# Altium PCB nRF52840-kit.PcbDoc (continued)
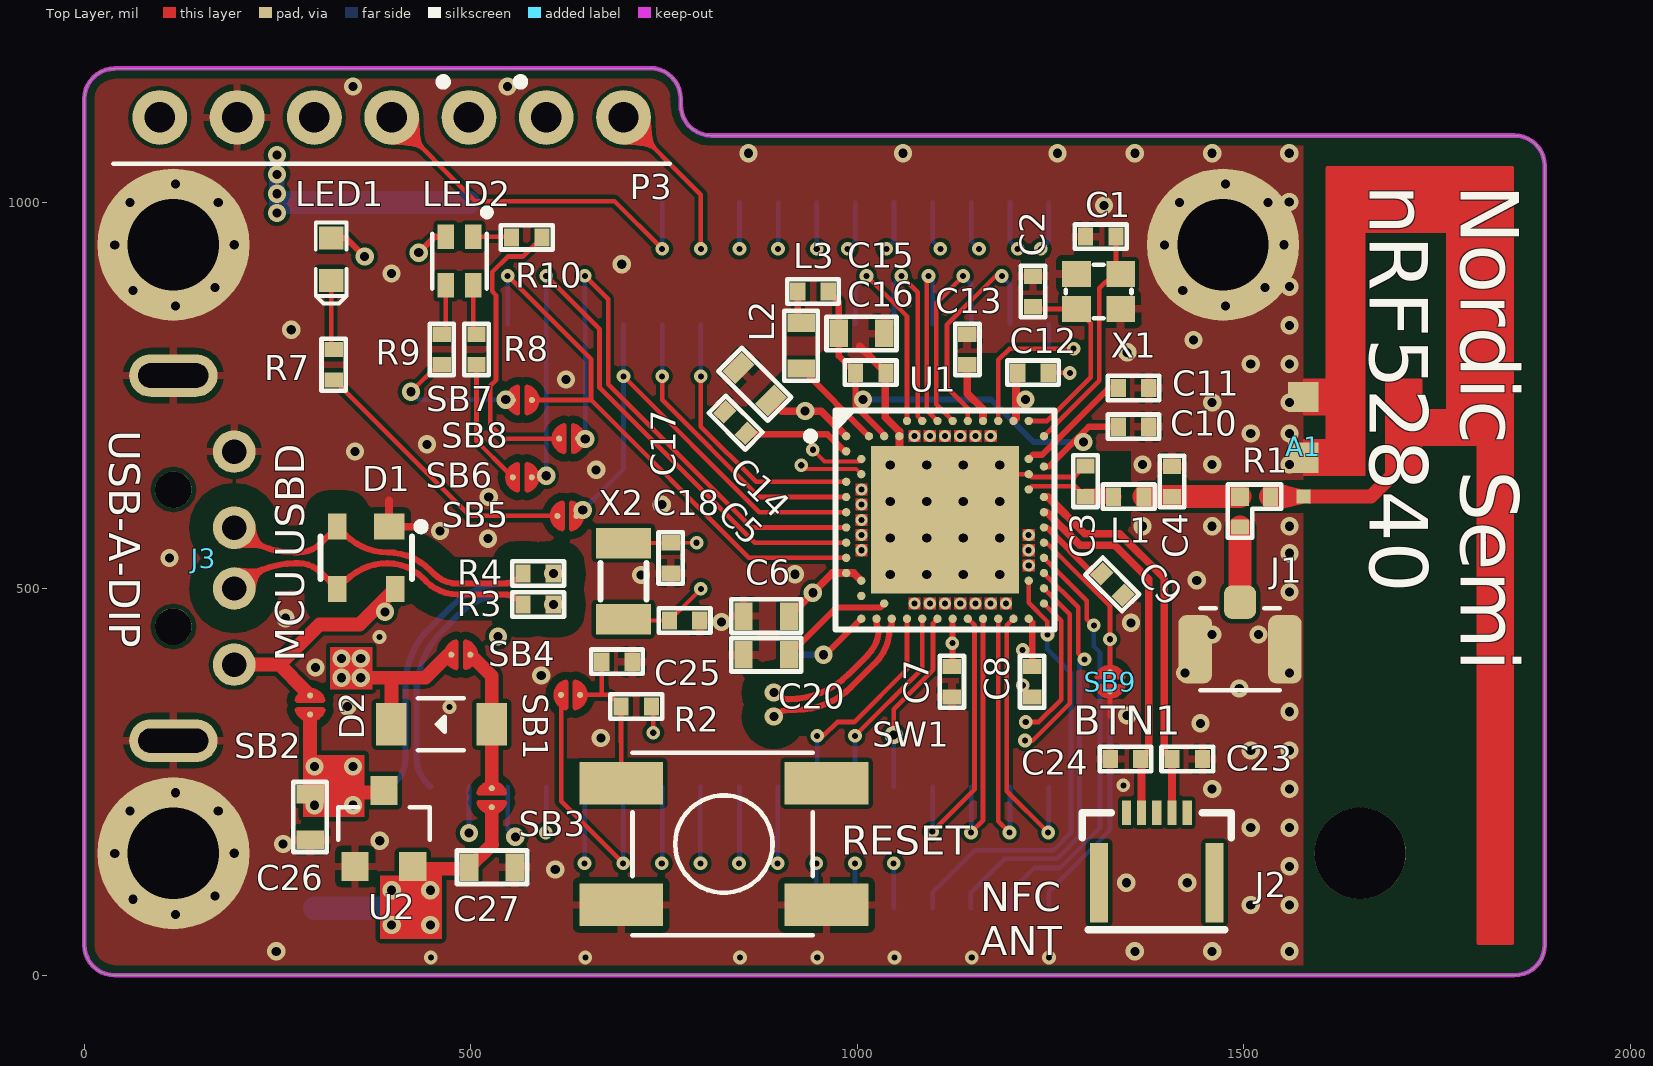
[diagram p0: Top Layer view]
## Footprints (in the part's own frame and the unit in brackets; to place one, negate y for a bottom-side part, rotate by r counter-clockwise, add the part's x,y. Pads: shape width x height; smd on the part's side, far side on the other; paste and mask are expansions set on the pad) (continued)
IFA_ANTENNA [mm]
  rect 0.46x0.46 smd paste-0.46: 1(0,0)
  rect 1x1 smd paste-1: 2(-3.275,0) 2(-1.285,0)
  Top Layer region: 14.67,6.91 -10.81,6.91 -10.829,6.906 -10.845,6.895 -10.856,6.879 -10.86,6.86 -10.86,6.86 -10.86,0.79 -10.856,0.771 -10.845,0.754 -10.829,0.744 -10.81,0.74 -10.81,0.74 -3.88,0.74 -3.88,0 -2.67,0 -2.67,0.74 -1.89,0.74 -1.89,0 -0.68,0 -0.68,1.98 -0.684,1.999 -0.695,2.016 -0.711,2.026 -0.73,2.03 -0.73,2.03 -8.68,2.03 -8.68,4.7 -2.88,4.7 -2.88,3.9 -3.83,3.9 -3.849,3.896 -3.866,3.886 -3.877,3.869 -3.88,3.85 -3.88,3.85 -3.88,2.74 -3.873,2.715 -3.855,2.697 -3.83,2.69 -3.83,2.69 -0.68,2.69 -0.68,3.85 -0.684,3.869 -0.695,3.886 -0.711,3.896 -0.73,3.9 -0.73,3.9 -1.68,3.9 -1.68,5.7 14.67,5.7 14.689,5.704 14.705,5.715 14.716,5.731 14.72,5.75 14.72,5.75 14.72,6.785 14.72,6.86 14.713,6.885 14.695,6.903 14.67,6.91
  Top Layer lines w0.46: 0,0.23 0,2.22 -1.07,3.29 -1.07,3.32
LED_0603 [mil]
  rect 30x32 smd: 1(0,0) 2(55,0)
  silkscreen extent -30,-20 75,20, body extent -4,-16 60,16, height 24
LED_0603_RGB [mm]
  rect 0.8x0.55 smd: 1(-0.8,0.45) 2(-0.8,-0.45) 3(0.8,-0.45) 4(0.8,0.45)
  silkscreen extent -1.7,-0.9 0.9,1, body extent -0.8,-0.75 0.8,0.75, height 0.34
RES_SELECTOR_0402 [mm] "R"
  rect 0.6x0.6 smd: 1(0,0)
  rect 0.5x0.6 smd: 2(1,0)
  rect 0.6x0.5 smd: 3(0,-1)
  silkscreen extent -0.4,-1.35 1.35,0.4, body extent -0.01,-0.25 1.01,0.25, height 1.01
SOD-123 [mm]
  rect 1x1.4 smd: 1(0,0) 2(3.3,0)
  silkscreen extent 0.87,-0.85 2.37,0.85, body extent -0.2,-0.8 3.5,0.8, height 1.27
Solderbridge#1 [mm]
  round 0.2 smd paste-10: 1(-0.312,0) 2(0.312,0)
  Top Layer region: 0.077,0.432 0.152,0.505 0.271,0.467 0.335,0.424 0.409,0.351 0.462,0.292 0.521,0.193 0.549,0.099 0.544,-0.122 0.518,-0.193 0.434,-0.33 0.351,-0.411 0.259,-0.469 0.157,-0.5 0.107,-0.483 0.077,-0.43
  Top Layer region: -0.077,-0.432 -0.152,-0.505 -0.271,-0.467 -0.335,-0.424 -0.409,-0.351 -0.462,-0.292 -0.521,-0.193 -0.549,-0.099 -0.544,0.122 -0.518,0.193 -0.434,0.33 -0.351,0.411 -0.259,0.469 -0.157,0.5 -0.107,0.483 -0.077,0.43
  Top Layer lines w0.152: -0.153,-0.431 cw(c-0.042,0) -0.312,-0.353 cw(c-0.042,0) -0.487,0 cw(c-0.042,0) -0.153,0.431 ; 0.153,-0.431 ccw(c0.042,0) 0.153,0.431
Solderbridge#2 [mm]
  round 0.2 smd paste-10: 1(-0.312,0) 2(0.312,0)
  Top Layer region: 0.077,0.432 0.152,0.505 0.271,0.467 0.335,0.424 0.409,0.351 0.462,0.292 0.521,0.193 0.549,0.099 0.544,-0.122 0.518,-0.193 0.434,-0.33 0.351,-0.411 0.259,-0.469 0.157,-0.5 0.107,-0.483 0.077,-0.43
  Top Layer region: -0.077,-0.432 -0.152,-0.505 -0.271,-0.467 -0.335,-0.424 -0.409,-0.351 -0.462,-0.292 -0.521,-0.193 -0.549,-0.099 -0.544,0.122 -0.518,0.193 -0.434,0.33 -0.351,0.411 -0.259,0.469 -0.157,0.5 -0.107,0.483 -0.077,0.43
  Top Layer lines w0.152: 0.153,-0.431 ccw(c0.042,0) 0.153,0.431 ; -0.153,-0.431 cw(c-0.042,0) -0.487,0 cw(c-0.042,0) -0.153,0.431
Solderbridge#3 [mm]
  round 0.2 smd paste-10: 1(-0.312,0) 2(0.312,0)
  Top Layer region: 0.077,0.432 0.152,0.505 0.271,0.467 0.335,0.424 0.409,0.351 0.462,0.292 0.521,0.193 0.549,0.099 0.544,-0.122 0.518,-0.193 0.434,-0.33 0.351,-0.411 0.259,-0.469 0.157,-0.5 0.107,-0.483 0.077,-0.43
  Top Layer region: -0.077,-0.432 -0.152,-0.505 -0.271,-0.467 -0.335,-0.424 -0.409,-0.351 -0.462,-0.292 -0.521,-0.193 -0.549,-0.099 -0.544,0.122 -0.518,0.193 -0.434,0.33 -0.351,0.411 -0.259,0.469 -0.157,0.5 -0.107,0.483 -0.077,0.43
  Top Layer lines w0.152: -0.153,-0.431 cw(c-0.042,0) -0.461,-0.149 cw(c-0.042,0) -0.481,-0.075 cw(c-0.042,0) -0.487,0 cw(c-0.042,0) -0.153,0.431 ; 0.153,-0.431 ccw(c0.042,0) 0.461,-0.149 ccw(c0.042,0) 0.153,0.431
SOT190P230X110-4L [mm]
  rect 0.85x1 smd: 1(-1.025,0.75)
  rect 0.85x0.6 smd: 2(-1.025,-0.95) 3(1.025,-0.95) 4(1.025,0.95)
  silkscreen extent -1.15,-1.5 0.7,1.93, body extent -1.21,-1.46 1.21,1.46, height 1
SOT-23 [mm] "1-G 2-S 3-D"
  rect 0.9x0.95 smd: 1(-0.95,-1.25) 2(0.95,-1.25) 3(0,1.25)
  silkscreen extent -1.51,-0.38 1.5,0.69, body extent -1.52,-1.23 1.48,1.27, height 1.06
Switch-PB-6.2x6.3mm-SMD [mm]
  rect 2.75x1.4 smd: 1(-3.375,2) 2(-3.375,-2) 3(3.375,2) 4(3.375,-2)
  silkscreen extent -2.93,-3 3,3, body extent -4,-3 4,3.3, height 3.1
USB-A-DIP [mm]
  round 1.4 hole 0.8: 1(3.5,0) 2(1,0) 3(-1,0) 4(-3.5,0)
  oval 1.4x2.9 hole 0.8 slot 2.3 at 90 deg: 5(-6,-2) 5(6,-2)
  round 1.2 hole 1.2: ""(-2.25,-2) ""(2.25,-2)
  body extent -6.3,-19.72 6.3,0.2, height 4.5
XTAL_2016 [mm]
  rect 0.95x0.85 smd: 1(-0.725,-0.575) 2(0.725,-0.575) 3(0.725,0.575) 4(-0.725,0.575)
  silkscreen extent -1.08,-0.88 1.08,0.88, body extent -1.05,-0.85 1.05,0.85, height 0.56
XTAL_3215 [mm]
  rect 1x1.8 smd: 1(-1.25,0) 2(1.25,0)
  silkscreen extent -0.6,-0.75 0.6,0.75, body extent -1.6,-0.75 1.6,0.75, height 0.81

## Part data
A1: "Texas Instrument"
C1 C2 C3 C4 C5 C6 C7 C8 C9 C10 C11 C12 C13 C14 C15 C16 C17 C18 C20 C21 C23 C24 C25 C26 C27: library part Capacitor, "common library", Tolerance=±5%
D1: "Ultra low capacitance double rail-to-rail ESD protection diode", 2nd source part number=152-4157, Manufacturer=NXP, Supplier part number=568-4140-1-ND, 2nd source Supplier=Farnell, Artikkelnr Noca=10069015, Artikkelnr Simpro=N.A., Datasheet=http://www.farnell.com/datasheets/109718.pdf, Footprint Doc=SOT-143B, LatestRevisionDate=2012-06-11, Manufacturer Part Number=PRTR5V0U2X, Part Number=PRTR5V0U2X, Published=2012-06-11, Publisher="Nordic Semiconductor", Supplier=Digi-Key
D2: library part "Diode Schottky", "common library"
J1: library part "IPEX connector", "Hirose", MF=Hirose, MP=U.FL-R-SMT_01_, Note=Ipex
J2: "0.5mm FPC, 5P,Right Angle SMT,Double Contact,H=1.2mm,White, Tin plated", 2nd source part number=WM9836CT-ND, Manufacturer=W-CON, Manufacturer Part Number=5141-05RZDNWR01, Part Number=FPC_05P-0.5mm-RA-SMD, Part number IPS=00000007792, 2nd source Supplier=Digi-Key, Artikkelnr Noca=55010020, Artikkelnr Simpro=N.A., Datasheet=\\hizz\pro\app9717\Datasheet\connectores\W-CON\5141-XXRZDNXX0X.pdf, Footprint Doc=FPC_05P-0.5mm-RA-SMD, LatestRevisionDate=2016-04-21, Pin Count=7, Published=2015-06-22, Publisher="Nordic Semiconductor", Supplier=Cabcon, Supplier part number=5141-05RZDNWR01
L1 L2 L3: library part Inductor, "common library"
LED1: library part LED, "common library", Color=Green
LED2: library part LED_RGB, Supplier=thegioiic, Type=RGB
P1 P2: library part "Header 20x2"
P3: library part "Header 7"
R1: library part Res_Selector, Name="Res Selector"
R2 R3 R4 R5 R6 R7 R8 R9 R10: library part Resistor, "common library", Tolerance=±5%
SW1 X1: "4-pin"
  SW1: Pin Count=4
U1: "Multi-protocol Bluetooth Low Energy, IEEE 802.15.4, ANT and 2.4GHz proprietary system-on-chip", Manufacturer="Nordic Semiconductor", Manufacturer Part Number=nRF52840-QIAAC0, Part number IPS=N.A., Artikkelnr Noca=N.A., Artikkelnr Simpro=N.A., ComponentLink1Description=Datasheet, ComponentLink2Description="Supplier link", Footprint Doc=AQFN-73, LatestRevisionDate=2017-12-06, Part Number=nRF52840-QIAAC0, Pin Count=73, Published=2017-08-21, Publisher="Nordic Semiconductor", Supplier="Nordic Semiconductor", Supplier part number=nRF52840-QIAAC0
U2: library part XC6206, "Low ESR Cap.Compatible Positive Voltage Regulators", Type=XC6206P332MR
X2: "2-pin"
J3: Supplier=https://banlinhkien.vn/goods-938-usb-a-duc-smd-usb-a-s01.html, Using reference=https://hshop.vn/products/mach-chuyen-usb-uart-cp2102
SB1 SB2 SB3 SB4 SB5 SB6 SB7 SB8 SB9: Artikkelnr Noca=N.A., Artikkelnr Simpro=N.A., Footprint Doc=Solderbridge, LatestRevisionDate=2009-12-14, Part Number=Solderbridge, Pin Count=2, Published=2009-12-14, Publisher="Nordic Semiconductor"

## Free pads (board coordinates)
  round 196.85 hole 118.11: 0(115.22,157.89) 0(115.22,945.3) 0(1473.49,945.3)
  round 118.11 hole 118.11: 0(1650.66,157.89)

## Via types
v1: diameter 23.62, hole 11.81, Top Layer to Bottom Layer, tented both sides, 138 vias
v2: diameter 17.72, hole 7.87, Top Layer to Bottom Layer, tented both sides, 64 vias
v3: diameter 15.75, hole 7.87, Top Layer to Bottom Layer, tented bottom, 21 vias
v4: diameter 24, hole 12, Top Layer to Bottom Layer, tented bottom, 16 vias

## Nets (pads, with @x,y where several pads share a name; then routed paths per layer and width w, separated by ;. In a path a pad name is that pad's centre, name@x,y a point inside that pad or via, vN(x,y) a via of type N, cw(c..) or ccw(c..) an arc to the next point about the centre after c; other vN are vias at no path point)
3V3: C27.2 P1.2 P1.4 P1.6 P1.8 SB3.2 U2.2 | length 313.7
  Top Layer w18: U2.2@425.11,137.87 496.07,137.87 C27.2 527.51,169.31 527.19,169.63 SB3.2
  Bottom Layer w30: P1.2 P1.4 P1.6 P1.8
  other v1: 397.71,65 447.71,65 397.71,110 447.71,110
ANT: A1.1 R1.2 | length 16.7
  Top Layer w30: R1.2 1551.51,619.31
D1_N: D1.3 J3.2 R3.1 | length 420.4
  Top Layer w8: J3.2 cw(c272.97,421.41) 272.97,533.14 277.19,533.14 cw(c277.19,492.48) 305.94,521.24 ; 305.95,521.23 D1.3 338.51,510.9 cw(c392.19,457.21) 392.19,533.14 cw(c392.19,468.81) 437.68,514.3 442.19,509.78 ccw(c483.24,550.83) 483.24,492.78 541.78,492.78 cw(c541.78,462.06) 563.51,483.78 R3.1
D1_P: D1.2 J3.3 R4.1 | length 420.2
  Top Layer w8: J3.3 ccw(c271.26,656.45) 271.26,547.14 277.19,547.14 ccw(c277.19,587.8) 305.95,559.05 D1.2 338.51,569.38 ccw(c392.19,623.06) 392.19,547.14 cw(c392.19,468.81) 447.58,524.2 452.09,519.68 ccw(c483.24,550.83) 483.24,506.78 541.78,506.78 ccw(c541.78,537.51) 563.51,515.78 R4.1
D2_N: P1.7 R5.1 | length 340.4
  Bottom Layer w8: P1.7 443.71,248.13 cw(c477.5,281.93) 429.71,281.93 429.71,364.78 cw(c543.71,364.78) 463.1,445.39 484.17,466.47 cw(c547.71,402.94) 547.71,492.78 cw(c547.71,476.36) 559.31,487.98 R5.1
D2_P: P1.5 R6.1 | length 363.8
  Bottom Layer w8: P1.5 401.71,248.13 ccw(c367.91,281.93) 415.71,281.93 415.71,376.38 cw(c515.71,376.38) 444.99,447.09 475.4,477.49 cw(c546.11,406.78) 546.11,506.78 547.71,506.78 ccw(c547.71,523.21) 559.31,511.59 R6.1
D_N: R4.2 R6.2 U1.AD4 | length 540.8
  Top Layer w8: v1(892.19,365.78) 893.27,364.71 ccw(c911.19,382.63) 911.19,357.28 ccw(c911.19,467.13) 988.87,389.46 1013.43,414.02 ccw(c978.35,449.1) 1027.96,449.1 cw(c1034.82,455.97) 1025.12,455.97 U1.AD4
  Mid-Layer 2 w8: v1(606.88,519.78) 611.17,515.49 ccw(c632.19,536.52) 632.19,506.78 cw(c632.19,439.19) 679.99,486.99 780.4,386.57 ccw(c851.11,457.28) 851.11,357.28 871.67,357.28 ccw(c871.67,386.31) v1(892.19,365.78)
D_P: R3.2 R5.2 U1.AD6 | length 563.9
  Top Layer w8: v1(892.19,334.78) 893.27,335.86 cw(c911.19,317.94) 911.19,343.28 921.07,343.28 ccw(c921.07,443.28) 991.78,372.57 1023.33,404.12 ccw(c978.35,449.1) 1041.96,449.1 ccw(c1035.1,455.97) 1044.8,455.97 U1.AD6
  Mid-Layer 2 w8: v1(606.88,479.78) 611.17,484.08 cw(c632.19,463.05) 632.19,492.78 cw(c632.19,439.19) 670.09,477.09 ; 670.09,477.09 770.5,376.67 ccw(c851.11,457.28) 851.11,343.28 871.67,343.28 cw(c871.67,314.26) v1(892.19,334.78)
DEC1: C5.2 U1.C1 | length 138.7
  Top Layer w8: C5.2 857.71,700 961.53,700 983.64,677.89 U1.C1
DEC2: C13.2 U1.A18 | length 81.3
  Top Layer w10: C13.2 1142.51,752.78 1162.91,732.38 U1.A18
DEC3: C11.1 U1.D23 | length 153.8
  Top Layer w8: U1.D23 1227.54,673.62 1239.5,673.62 1325.66,759.78 C11.1
DEC4_6: C10.1 C15.2 C16.2 L3.2 U1.B5 U1.E24 | length 642.5
  Top Layer w8: L3.2 976.17,871.12 C15.2 976.17,801.44 C16.2 997.82,736.83 1034.96,699.69 U1.B5 ; U1.E24 1247.9,658.21 1299.48,709.78 C10.1
  Bottom Layer w8: v1(1007.71,745) 1173.71,745 1228.71,690 v1(1292.71,690)
DEC5: C9.2 U1.N24 | length 109.4
  Top Layer w8: U1.N24 1245.34,579.47 C9.2@1305.1,519.7 ; C9.2@1305.1,519.7 1306.1,518.7 1314.27,518.7 1315.27,519.7 C9.2@1305.1,519.7
DECUSB: C20.2 U1.AC5 | length 150.4
  Top Layer w8: C20.2 973.02,475.77 1029.69,475.77 U1.AC5
GND: A1.2 C1.2 C2.2 C3.1 C4.1 C5.1 C6.1 C7.1 C8.1 C9.1 C10.2 C11.2 C12.1 C13.1 C14.1 C15.1 C16.1 C17.1 C18.1 C20.1 C21.1 C23.2 C24.1 C25.1 C26.1 C27.1 D1.1 J1.1 J1.2 J3.4 J3.5 P1.14 P1.16 P1.18 P1.20 P1.22 P1.24 P1.26 P2.2 P2.4 P2.6 P2.8 P2.10 P2.24 P2.26 P2.28 P3.2 pad.0@115.22,157.89 pad.0@115.22,945.3 pad.0@1473.49,945.3 SB9.2 SW1.1 SW1.3 U1.74 U1.B7 U1.F23 U2.1 X1.2 X1.4 | length 614.8
  Top Layer w6: U1.74 v4(1137.32,612.93) 1172.76,648.37 U1.F23 1225.55,644.78 1281.22,644.78 C3.1 ; C12.1 1274.74,779.78 v2(1275.22,779.3) ; 1327.19,335.26 1327.19,360.61 SB9.2
  Top Layer w10: 394.32,614.39 D1.1 430.42,580.49 ; 1003.22,813.75 C16.1 1036.51,779.1 1036.51,722.03 1054.65,703.9 U1.B7 1054.65,648.37 U1.74
  other v1: 248.33,31 1359.33,31 1459.33,31 1559.33,31 118.11,78.74 1509.33,91 1559.33,91 62.99,98.43 169.29,102.36 1348.34,119.78 1427.08,119.78 609.33,137 1559.33,141 39.37,157.48 193.99,157.89 257.33,170 382.33,174 1509.33,191 1559.33,191 59.05,212.6 173.23,212.6 118.11,236.22 1459.33,241 1559.33,241 1509.33,291 1559.33,291 668.33,307 1444.33,326 1349.33,336 1559.33,341 340.33,348 1494.33,371 591.33,388 1424.33,391 1559.33,391 299.21,398.25 1459.33,441 1519.33,441 1354.33,456 824.33,457 260.33,462 1559.33,496 1439.33,511 720.33,518 919.47,518.84 110.33,540 1559.33,546 522.33,565 460.33,575 1369.33,581 1459.33,581 1559.33,581 747.33,609 523.33,619 662.33,654 1369.33,661 1459.33,661 1559.33,661 350.39,677.77 443.33,687 1509.33,701 1559.33,701 1459.33,741 1559.33,741 623.33,771 1509.33,791 1559.33,791 1349.33,806 1435.33,822 267.72,835.25 1559.33,841 118.11,866.14 1476.38,866.14 62.99,885.83 1421.26,885.83 169.29,889.76 1527.56,889.76 1559.33,891 397.33,908 695.33,920 39.37,944.88 193.99,945.3 1397.64,944.88 1552.26,945.3 1319.33,996 59.05,1000 173.23,1000 1417.32,1000 1531.5,1000 1559.05,1000.61 118.11,1023.62 1476.38,1023.62 859.33,1063.6 1059.33,1063.6 1259.33,1063.6 1359.33,1063.6 1459.33,1063.6 1559.05,1063.6 347.71,1150 547.71,1150
  other v2: 448.33,23 648.33,23 848.33,23 948.33,23 1048.33,23 1148.33,23 1248.33,23 1344.4,245.77 472.44,347.06 1214.22,375.3 381.89,437.62
  other v4: 1042.84,518.45 1090.08,518.45 1137.32,518.45 1184.57,518.45 1042.84,565.69 1090.08,565.69 1137.32,565.69 1184.57,565.69 1042.84,612.93 1090.08,612.93 1184.57,612.93 1042.84,660.18 1090.08,660.18 1137.32,660.18 1184.57,660.18
NetC3_2: C3.2 L1.1 U1.H23 | length 117.1
  Top Layer w6: U1.H23 1226.07,632.78 1282.28,632.78 C3.2
  Top Layer w20: C3.2 1331.43,619.63 L1.1
NetC25_2: C25.2 R2.1 SB1.2 SW1.2 SW1.4 | length 239.3
  Top Layer w6: SB1.2 669.19,362.78 ; SW1.4@662.89,254.48 661.19,252.78 690.37,252.78 SW1.4 694.63,301.78 694.51,301.91 R2.1 679.51,362.78 669.19,362.78 ; C25.2 669.51,363.1 669.19,362.78
NetD2_2: D2.2 SB3.1 SB4.2 | length 180.5
  Top Layer w18: SB4.2 505.35,408.92 527.19,387.08 D2.2 527.19,248.95 SB3.1@527.19,245.76
NetL2_1: L2.1 U1.B3 | length 124.1
  Top Layer w8: L2.1 927.6,785.26 U1.B3
NetL2_2: L2.2 L3.1 | length 42.3
  Top Layer w8: L3.1 923.14,848.68 L2.2
NetLED1_1: LED1.1 R7.2 | length 90.8
  Top Layer w6: LED1.1 319.4,812.99 R7.2
NetLED2_1: LED2.1 R10.2 | length 50
  Top Layer w6: LED2.1 551.96,955.65 R10.2
NetLED2_3: LED2.3 R9.2 | length 65.4
  Top Layer w6: R9.2 467.73,834.69 LED2.3
NetLED2_4: LED2.4 R8.2 | length 65
  Top Layer w6: LED2.4 503.17,833.81 R8.2
NetR7_1: R7.1 SB5.1 | length 362.3
  Top Layer w6: R7.1 498.64,594.38 605.27,594.38 SB5.1
NetR8_1: R8.1 SB6.1 | length 165.2
  Top Layer w6: R8.1 507.51,691.32 548.58,650.24 SB6.1
NetR9_1: R9.1 SB7.1 | length 181.1
  Top Layer w6: v1(422.71,755) 457.8,790.1 R9.1
  Bottom Layer w6: v1(422.71,755) 432.87,744.83 v1(545.24,744.83)
NetR10_1: R10.1 SB8.1 | length 382.3
  Top Layer w6: R10.1 567.41,930 547.71,930 527.71,910 527.71,885 532.71,880 532.71,770 525.43,762.73 525.43,712.27 543.32,694.38 607.57,694.38 SB8.1
NFC1: C24.2 J2.2 U1.L24 | length 478.3
  Top Layer w10: U1.L24 1245.45,599.15 1288.3,556.31 1333.3,556.31 1377.19,512.41 1377.19,290.1 C24.2 1368.02,278.64 J2.2
NFC2: C23.1 J2.4 U1.J24 | length 506.7
  Top Layer w10: U1.J24 1246.98,618.84 1294.51,571.31 1339.51,571.31 1397.19,513.63 1397.19,290.1 C23.1 1407.51,210.45 J2.4
P0.02/AIN0: P2.34 U1.A12 | length 258.6
  Top Layer w6: v2(1092.19,904.78) 1090.19,902.78 1090.19,730.93 U1.A12
  Bottom Layer w6: v2(1092.19,904.78) 1097.71,899.27 P2.34
P0.03/AIN1: P2.33 U1.B13 | length 309
  Mid-Layer 1 w6: v2(1107.71,940) 1112.71,935 1112.71,698.58 v3(1113.7,697.58)
  Bottom Layer w6: P2.33 1097.71,950 v2(1107.71,940)
P0.04/AIN2: P2.20 U1.J1 | length 388.1
  Top Layer w6: v2(747.71,775) 747.71,744.44 873.31,618.84 U1.J1
  Bottom Layer w6: v2(747.71,775) P2.20
P0.05/AIN3: P2.25 U1.K2 | length 468.9
  Mid-Layer 1 w6: v2(897.71,940) 897.71,660 948.71,609 v3(1005.43,609)
  Bottom Layer w6: v2(897.71,940) P2.25
P0.06: P2.18 SB5.2 U1.L1 | length 623.3
  Top Layer w6: v2(697.71,775) 873.55,599.15 U1.L1
  Bottom Layer w6: v1(644.94,601.98) 697.71,654.75 v2(697.71,775) P2.18
P0.07: P2.23 U1.M2 | length 529.9
  Mid-Layer 1 w6: v2(847.71,940) 847.71,655 913.39,589.31 v3(1005.43,589.31)
  Bottom Layer w6: v2(847.71,940) P2.23
P0.08: P2.16 SB8.2 U1.N1 | length 748.6
  Top Layer w6: v2(647.71,905) 677.71,875 677.71,765 863.24,579.47 U1.N1
  Bottom Layer w6: v2(647.71,905) P2.16 648.24,841.98 v1(648.24,693.93)
P0.11: P2.19 P3.4 U1.T2 | length 1031.5
  Top Layer w6: P3.4 506.03,1001.67 686.03,1001.67 v2(747.71,940)
  Mid-Layer 1 w6: v2(747.71,940) 777.71,910 777.71,685 912.76,549.94 v3(1005.43,549.94)
  Bottom Layer w6: v2(747.71,940) P2.19
P0.12: P2.12 SB7.2 U1.U1 | length 759.2
  Top Layer w6: v2(547.71,905) 655.71,797 655.71,744.38 ; SB7.2 585.91,744.38 655.71,744.38 ; U1.U1 859.99,540.1 655.71,744.38
  Bottom Layer w6: P2.12 v2(547.71,905)
P0.13: P1.27 U1.AD8 | length 283.2
  Top Layer w6: v2(948.19,309.78) 956.22,309.78 974.12,327.68 996.09,327.68 1064.49,396.08 U1.AD8
  Bottom Layer w6: P1.27 948.19,244.62 v2(948.19,309.78)
P0.14: P1.13 U1.AC9 | length 773.7
  Mid-Layer 1 w6: v2(597.19,184.78) 671.64,184.78 716.64,229.78 1018.19,229.78 1074.33,285.92 v3(1074.33,481.04)
  Bottom Layer w6: v2(597.19,184.78) 597.71,185.3 P1.13
P0.15: P1.29 U1.AD10 | length 253.5
  Top Layer w6: v2(997.19,309.78) 1084.17,396.77 U1.AD10
  Bottom Layer w6: v2(997.19,309.78) 997.19,244.65 P1.29
P0.16: P1.15 U1.AC11 | length 797.9
  Mid-Layer 1 w6: v2(647.19,144.78) 721.19,218.78 1023.41,218.78 1094.02,289.39 v3(1094.02,481.04)
  Bottom Layer w6: v2(647.19,144.78) 647.71,145.3 P1.15
P0.17: P1.31 U1.AD12 | length 240.9
  Top Layer w6: v1(1047.19,310.78) 1047.19,344.23 1098.19,395.23 1098.19,455.69 U1.AD12
  Bottom Layer w6: v1(1047.19,310.78) 1047.19,244.65 P1.31
P0.18/RST: P1.17 SB1.1 U1.AC13 | length 1023.7
  Top Layer w6: SB1.1 616.89,348.88 616.89,225.08 v2(697.19,144.78)
  Mid-Layer 1 w6: v2(697.19,144.78) 760.19,207.78 1027.97,207.78 1113.7,293.52 1113.7,401.78 1105.02,410.47 1105.02,444.1 1113.7,452.78 v3(1113.7,481.04)
  Bottom Layer w6: v2(697.19,144.78) 697.19,243.62 P1.17
P0.19: P1.19 U1.AC15 | length 739.7
  Mid-Layer 1 w6: v2(747.19,144.78) 799.19,196.78 1032.52,196.78 1133.39,297.65 1133.39,400.78 1142.07,409.47 1142.07,444.91 1133.39,453.59 v3(1133.39,481.04)
  Bottom Layer w6: v2(747.19,144.78) 747.71,145.3 P1.19
P0.20: P1.33 U1.AD16 | length 360.4
  Top Layer w6: v2(1097.19,185.78) 1151.91,240.51 1151.91,452.67 U1.AD16
  Bottom Layer w6: v2(1097.19,185.78) 1097.71,186.3 P1.33
P0.21: P1.21 U1.AC17 | length 699.7
  Mid-Layer 1 w6: v2(797.19,144.78) 838.19,185.78 1037.08,185.78 1153.07,301.78 v3(1153.07,481.04)
  Bottom Layer w6: v2(797.19,144.78) 797.19,243.62 P1.21
P0.22: P1.35 U1.AD18 | length 342.6
  Top Layer w6: v2(1147.19,184.78) 1162.91,200.51 U1.AD18
  Bottom Layer w6: v2(1147.19,184.78) 1147.71,185.3 P1.35
P0.23: P1.23 U1.AC19 | length 667
  Mid-Layer 1 w6: v2(847.19,144.78) 876.19,173.78 1040.64,173.78 1172.76,305.9 v3(1172.76,481.04)
  Bottom Layer w6: v2(847.19,144.78) 847.71,145.3 P1.23
P0.24: P1.37 U1.AD20 | length 342.2
  Top Layer w6: U1.AD20 1182.6,199.38 v2(1197.19,184.78)
  Bottom Layer w6: v2(1197.19,184.78) 1197.71,185.3 P1.37
P0.25: P1.25 U1.AC21 | length 634.3
  Mid-Layer 1 w6: v2(897.19,144.78) 915.19,162.78 1045.19,162.78 1192.44,310.03 v3(1192.44,481.04)
  Bottom Layer w6: v2(897.19,144.78) 897.19,243.62 P1.25
P0.26: P2.22 U1.G1 | length 350.2
  Top Layer w6: v2(797.71,775) 797.71,710 869.18,638.52 U1.G1
  Bottom Layer w6: v2(797.71,775) P2.22
P0.27: P2.27 U1.H2 | length 395.2
  Mid-Layer 1 w6: v2(947.71,940) 947.71,760 1005.43,702.27 v3(1005.43,628.68)
  Bottom Layer w6: v2(947.71,940) P2.27
P0.28/AIN4: P2.31 U1.B11 | length 329.9
  Mid-Layer 1 w6: v2(1037.71,940) 1037.71,800 1094.02,743.69 v3(1094.02,697.58)
  Bottom Layer w6: v2(1037.71,940) 1047.71,950 P2.31
P0.29/AIN5: P2.32 U1.A10 | length 264.9
  Top Layer w6: v2(1057.19,904.78) 1078.19,883.78 1078.19,723.25 U1.A10
  Bottom Layer w6: P2.32 1047.71,895.3 v2(1057.19,904.78)
P0.30/AIN6: P2.29 U1.B9 | length 342.4
  Mid-Layer 1 w6: v2(987.71,940) 987.71,820 1074.33,733.37 v3(1074.33,697.58)
  Bottom Layer w6: v2(987.71,940) 997.71,950 P2.29
P0.31/AIN7: P2.30 U1.A8 | length 277.4
  Top Layer w6: v2(1012.19,904.78) 1064.49,852.49 U1.A8
  Bottom Layer w6: P2.30 997.71,890.3 v2(1012.19,904.78)
P1.00: P1.39 U1.AD22 | length 361.9
  Top Layer w6: U1.AD22 1193.6,452.67 1193.6,238.38 v2(1247.19,184.78)
  Bottom Layer w6: v2(1247.19,184.78) 1247.71,185.3 P1.39
P1.01: P1.34 U1.Y23 | length 580.4
  Top Layer w6: U1.Y23 1221.97,482.01 1246.19,457.78 v2(1246.19,440.78)
  Bottom Layer w6: P1.34 1097.71,107.3 1152.19,161.78 1254.08,161.78 1276.64,184.35 1276.64,391.34 1246.19,421.78 v2(1246.19,440.78)
P1.02: P1.36 U1.W24 | length 557.4
  Top Layer w6: U1.W24@1241.66,518.77 U1.W24 1286.05,476.02 1286.05,416.93 v2@1291.19,411.78
  Bottom Layer w6: P1.36 1147.19,87.17 1147.19,106.78 1191.19,150.78 1258.64,150.78 1287.64,179.79 1287.64,408.78 v2(1294.19,408.78)
P1.03: P1.28 U1.V23 | length 658.3
  Mid-Layer 2 w6: v2(947.19,144.78) 1044.19,241.78 1190.19,241.78 1240.19,291.78 1240.19,419.78 1221.98,438 v3(1221.98,530.26)
  Bottom Layer w6: v2(947.19,144.78) 947.19,87.17 P1.28
P1.04: P1.38 U1.U24 | length 547.8
  Top Layer w6: U1.U24 1297.05,484.7 1297.05,460.93 v2@1303.19,454.78
  Bottom Layer w6: P1.38 1197.71,107.3 1229.19,138.78 1262.19,138.78 1314.19,190.78 1314.19,417.78 1306.19,425.78 v2(1306.19,452.78)
P1.05: P1.30 U1.T23 | length 661.1
  Mid-Layer 2 w6: v2(997.19,144.78) 1083.19,230.78 1194.75,230.78 1263.19,299.23 1263.19,517.33 1230.58,549.94 v3(1221.97,549.94)
  Bottom Layer w6: v2(997.19,144.78) 997.19,87.17 P1.30
P1.06: P1.40 SB9.1 U1.R24 | length 586.2
  Top Layer w6: U1.R24 1245.03,559.78 1327.19,477.63 v2(1327.19,434.78) 1327.19,398.95 SB9.1
  Bottom Layer w6: P1.40 1247.71,108.3 1327.19,187.78 v2(1327.19,434.78)
P1.07: P1.32 U1.P23 | length 663.5
  Mid-Layer 2 w6: v2(1047.19,144.78) 1047.19,167.78 1099.19,219.78 1199.31,219.78 1274.19,294.67 1274.19,527.68 1232.25,569.63 v3(1221.97,569.63)
  Bottom Layer w6: v2(1047.19,144.78) 1047.19,87.17 P1.32
P1.08: P2.21 P3.7 U1.P2 | length 781.9
  Top Layer w6: P3.7 797.71,1010 v2(797.71,940)
  Mid-Layer 1 w6: v2(797.71,940) 827.71,910 827.71,655 913.08,569.63 v3(1005.43,569.63)
  Bottom Layer w6: v2(797.71,940) P2.21
P1.09: P2.14 SB6.2 U1.R1 | length 853.5
  Top Layer w6: SB6.2 580.96,646.3 585.81,646.3 v1(597.71,646.3) ; v2(597.71,905) 666.71,836 666.71,760.44 867.36,559.78 U1.R1
  Bottom Layer w6: v1(597.71,646.3) P2.14 v2(597.71,905)
P1.10: P2.40 U1.A20 | length 244.7
  Top Layer w6: U1.A20 1182.6,796.19 1197.19,810.78 v2(1280.19,810.78)
  Bottom Layer w6: P2.40 1247.71,814.27 1251.19,810.78 v2(1280.19,810.78)
P1.11: P2.39 U1.B19 | length 333.5
  Mid-Layer 1 w6: v3(1172.76,697.58) 1172.76,799.5 1237.71,864.44 v2(1237.71,940)
  Bottom Layer w6: v2(1237.71,940) 1247.71,950 P2.39
P1.12: P2.37 U1.B17 | length 329.2
  Mid-Layer 1 w6: v3(1153.07,697.58) 1153.07,798.37 1207.71,853 v2(1207.71,940)
  Bottom Layer w6: P2.37 1197.71,950 v2(1207.71,940)
P1.13: P2.38 U1.A16 | length 299.4
  Top Layer w6: U1.A16 1143.23,733.68 1116.19,760.71 1116.19,841.78 1179.19,904.78 v2(1187.19,904.78)
  Bottom Layer w6: v2(1187.19,904.78) 1197.71,894.27 P2.38
P1.14: P2.35 U1.B15 | length 316.6
  Mid-Layer 1 w6: v3(1133.39,697.58) 1133.39,795.68 1157.71,820 v2(1157.71,940)
  Bottom Layer w6: P2.35 1147.71,950 v2(1157.71,940)
P1.15: P2.36 U1.A14 | length 277.5
  Top Layer w6: U1.A14 1102.19,738.62 1102.19,869.78 v2(1137.19,904.78)
  Bottom Layer w6: v2(1137.19,904.78) 1147.71,894.27 P2.36
RF: C4.2 L1.2 R1.1 | length 124.3
  Top Layer w30: L1.2 C4.2 R1.1
RF1: J1.3 R1.3 | length 97.1
  Top Layer w30: J1.3 R1.3
SWDCLK: P1.11 P1.12 P3.6 U1.AA24 | length 2061.8
  Top Layer w6: v2(1217.19,303.78) 1227.19,303.78 1275.05,351.64 1275.05,467.33 U1.AA24
  Mid-Layer 2 w6: P3.6 597.71,1048.71 567.71,1018.71 567.71,254.13 v1(497.71,184.13) 527.71,154.13 597.71,154.13 641.71,198.13 948.56,198.13 1018.77,268.35 1164.44,268.35 1199.88,303.78 v2(1217.19,303.78)
  Bottom Layer w6: v1(497.71,184.13) 497.71,244.13
SWDIO: P1.9 P1.10 P3.5 U1.AC24 | length 1938.4
  Top Layer w6: v2(1218.19,327.78) 1235.19,327.78 1264.05,356.64 1264.05,458.65 U1.AC24
  Mid-Layer 1 w6: P3.5 497.71,239.13 v1(557.71,179.13)
  Mid-Layer 2 w6: v1(557.71,179.13) 587.71,209.13 944.01,209.13 1014.22,279.35 1159.89,279.35 1208.32,327.78 v2(1218.19,327.78)
  Bottom Layer w6: 547.71,244.13 547.71,189.13 v1(557.71,179.13)
V5V: C26.2 P1.1 P1.3 SB2.2 U2.3 | length 199.5
  Top Layer w18: SB2.2 C26.2 294.18,236.3 U2.3@387.71,236.3
  other v1: 297.71,220 347.71,220 297.71,270 347.71,270
VBUS: C21.2 D1.4 J3.1 SB2.1 U1.AD2 | length 996.1
  Top Layer w8: v1(956.51,414.78) 958.86,414.78 U1.AD2
  Top Layer w18: J3.1 252.29,401.99 ; SB2.1 286.33,367.94 252.29,401.99 ; D1.4 356.23,453.82 304.12,453.82 252.29,401.99
  Mid-Layer 1 w8: v1(535.22,438.3) 558.74,414.78 v1(956.51,414.78)
  Mid-Layer 2 w8: v1(389.22,470.3) 421.22,438.3 v1(535.22,438.3)
  Bottom Layer w8: C21.2 v1(956.51,414.78)
VDD_nRF: C6.2 C7.2 C8.2 C12.2 C14.2 D2.1 LED1.2 LED2.2 P2.1 P2.3 P2.5 P2.7 P2.9 P3.1 P3.3 R2.2 SB4.1 U1.A22 U1.AD14 U1.AD23 U1.B1 U1.W1 U1.Y2 | length 1010.7
  Top Layer w6: v2(736.19,313.78) R2.2@736.19,345.47
  Top Layer w8: LED1.2 338.55,954.15 v1(362.71,930) ; v1(432.71,935) 453.36,955.65 LED2.2 ; R2.2 R2.2@736.19,345.47 ; C7.2 1123.54,400.51 U1.AD14 ; v2(1214.19,420.78) 1226.51,420.78 ; U1.AD23 1226.51,456.82 1226.51,420.78 ; C8.2 1226.51,420.78
  Top Layer w10: C14.2 902.51,729.78 953.54,729.78 U1.B1 ; C6.2 967.67,520.41 U1.W1 995.59,520.41 U1.Y2 ; U1.A22 1205.56,720.54 1205.56,777.52 C12.2
  Top Layer w18: v1@357.71,379.78 v1(357.71,385) 397.27,385 ; D2.1@397.19,324.86 D2.1 397.27,385 ; SB4.1 471.22,414.78 468.27,411.84 441.43,385 397.27,385
  Bottom Layer w30: 254.22,1000 P2.1 P2.3 P2.5 P2.7 P2.9
  other v1: 332.71,385 332.71,410 357.71,410 942.71,495 932.71,730 1217.71,745 249.22,986.3 249.22,1011.3 249.22,1036.3 249.22,1061.3
  other v2: 1123.19,429.78
XC1: C1.1 U1.B24 X1.1 | length 307.3
  Top Layer w6: U1.B24 1313.19,769.12 1313.19,888.78 1331.83,907.42 X1.1 1334.88,913.6 C1.1
XC2: C2.1 U1.A23 X1.3 | length 257.3
  Top Layer w6: U1.A23 1245.78,717.26 1302.19,773.67 1302.19,843.92 X1.3 1230.46,862.15 C2.1
XL1: C17.2 U1.D2 X2.2 | length 368.8
  Top Layer w5: X2.2 758.23,559.21 C17.2 v2(792.39,559.69) v2@792.71,560 ; v2(942.71,680) 957.71,665 1002.38,665 U1.D2 U1.D2@1005.43,664.98
  Mid-Layer 2 w5: v2(792.39,559.69) 912.71,680 v2(942.71,680)
XL2: C18.2 U1.F2 X2.1 | length 417.4
  Top Layer w5: X2.1 699.49,459 C18.2 797.71,499.69 v2(797.71,500) ; v2(927.71,660) 932.71,655 998.8,655 U1.F2 U1.F2@1005.43,651.44
  Mid-Layer 2 w5: v2(797.71,500) 797.71,530 v2(927.71,660)
pads on no net: J2.0 J2.1 J2.3 J2.5 J3. P2.11 P2.13 P2.15 P2.17 U1.AB2

## Polygon pours and split planes (outlines as drawn)
VDD_nRF on Mid-Layer 2 "Mid Layer 2-VDD" (solid, remove dead copper, pour order 4): -95.79,1240.38 1971.14,1240.38 1971.14,-137.58 -95.79,-137.58
GND on Mid-Layer 1 "Mid Layer 1-GND" (solid, remove dead copper, pour order 6): -95.79,1240.38 1971.14,1240.38 1971.14,-137.58 -95.79,-137.58
GND on Bottom Layer "Bottom Layer-GND" (solid, remove dead copper, pour order 2): -202.19,-158.39 1963.16,-158.39 1963.16,1219.57 -202.19,1219.57
GND on Top Layer "Top Layer-GND" (solid, remove dead copper, pour order 0): -82.52,-167.77 2082.84,-167.77 2082.84,1210.18 -82.52,1210.18

## Keep-outs
Keep-Out Layer:
  lines w6: 732.28,1173.84 cw(c731.98,1134.16) 771.65,1133.86 ; 732.28,1173.85 39.37,1173.23 ccw(c39.37,1133.86) 0,1133.86 0,39.37 ccw(c39.37,39.37) 39.37,0 1850.39,0 ccw(c1850.39,39.37) 1889.76,39.37 1889.76,1047.24 ccw(c1850.39,1047.24) 1850.39,1086.61 811.02,1086.61 cw(c811.33,1126.29) 771.65,1126.59 ; 771.65,1126.59 ccw(c771.65,1126.59) 771.65,1126.59 ; 771.65,1126.59 771.65,1133.86 ; 771.65,1133.86 ccw(c771.65,1133.86) 771.65,1133.86

## Other copper
Top Layer:
  rectangle net 3V3: 382.71,47 462.71,129
  rectangle net V5V: 282.71,205 362.71,285
  rectangle net VDD_nRF: 317.71,370 372.71,425
  rectangle net P0.27: 997.56,620.81 1013.31,636.56
  rectangle net P0.05/AIN3: 997.56,601.12 1013.31,616.87
  rectangle net P0.07: 997.56,581.44 1013.31,597.19
  rectangle net P1.08: 997.56,561.75 1013.31,577.5
  rectangle net P0.11: 997.56,542.07 1013.31,557.82
  rectangle net P0.14: 1066.46,473.17 1082.21,488.92
  rectangle net P0.16: 1086.14,473.17 1101.89,488.92
  rectangle net P0.18/RST: 1105.83,473.17 1121.58,488.92
  rectangle net P0.19: 1125.51,473.17 1141.26,488.92
  rectangle net P0.21: 1145.2,473.17 1160.95,488.92
  rectangle net P0.23: 1164.88,473.17 1180.63,488.92
  rectangle net P0.25: 1184.57,473.17 1200.32,488.92
  rectangle net P1.03: 1214.1,522.39 1229.85,538.14
  rectangle net P1.05: 1214.1,542.07 1229.84,557.82
  rectangle net P1.07: 1214.1,561.75 1229.84,577.5
  rectangle net P0.30/AIN6: 1066.46,689.71 1082.21,705.45
  rectangle net P0.28/AIN4: 1086.14,689.71 1101.89,705.45
  rectangle net P0.03/AIN1: 1105.83,689.71 1121.58,705.45
  rectangle net P1.14: 1125.51,689.71 1141.26,705.45
  rectangle net P1.12: 1145.2,689.71 1160.95,705.45
  rectangle net P1.11: 1164.88,689.71 1180.63,705.45
  pour cut-out: 1310.22,357.3 1344.22,357.3 1353.84,366.91 1353.83,396.3 1300.22,396.3 1300.22,367.3
  region net ANT: 1552.51,634.31 1577.43,628.31 1577.43,610.31 1552.51,604.31
  pour cut-out: 1354.49,580.26 1354.49,678.68 1197.01,678.68 1197.01,580.26
  pour cut-out: 1577.43,1181.32 1971.14,1181.32 1971.14,-39.15 1577.43,-39.15
  pour cut-out: 1334.71,944.31 1334.88,944.15 1334.88,932.5 1301.25,932.5 1301.25,944.31
  pour cut-out: 817.97,723.04 859.06,681.94 836.82,659.7 795.72,700.8
  pour cut-out: 838.76,718.63 922.61,802.48 949.33,802.48 959.16,812.31 959.25,738.48
  pour cut-out: 1007.67,797.01 1021.95,811.3 1050.22,811.3
  pour cut-out: 1137.72,805.3 1200.72,805.3 1200.72,785.19 1195.38,779.84 1141.18,779.84 1137.72,783.3
  pour cut-out: 1131.22,394.3 1131.22,369.3 1149.22,369.3 1149.22,394.3
  pour cut-out: 758.22,442.3 758.22,455.3 786.22,455.3 786.22,442.3
  pour cut-out: 661.33,281 616.89,281 616.89,239 661.33,239
  pour cut-out: 1495.43,640.72 1584.47,640.72 1584.47,597.9 1495.47,597.9
Mid-Layer 1:
  rectangle net P0.27: 997.56,620.81 1013.31,636.56
  rectangle net P0.05/AIN3: 997.56,601.12 1013.31,616.87
  rectangle net P0.07: 997.56,581.44 1013.31,597.19
  rectangle net P1.08: 997.56,561.75 1013.31,577.5
  rectangle net P0.11: 997.56,542.07 1013.31,557.82
  rectangle net P0.14: 1066.46,473.17 1082.21,488.92
  rectangle net P0.16: 1086.14,473.17 1101.89,488.92
  rectangle net P0.18/RST: 1105.83,473.17 1121.58,488.92
  rectangle net P0.19: 1125.51,473.17 1141.26,488.92
  rectangle net P0.21: 1145.2,473.17 1160.95,488.92
  rectangle net P0.23: 1164.88,473.17 1180.63,488.92
  rectangle net P0.25: 1184.57,473.17 1200.32,488.92
  rectangle net P1.03: 1214.1,522.39 1229.85,538.14
  rectangle net P1.05: 1214.1,542.07 1229.84,557.82
  rectangle net P1.07: 1214.1,561.75 1229.84,577.5
  rectangle net P1.11: 1164.88,689.71 1180.63,705.45
  rectangle net P1.12: 1145.2,689.71 1160.95,705.45
  rectangle net P1.14: 1125.51,689.71 1141.26,705.45
  rectangle net P0.03/AIN1: 1105.83,689.71 1121.58,705.45
  rectangle net P0.28/AIN4: 1086.14,689.71 1101.89,705.45
  rectangle net P0.30/AIN6: 1066.46,689.71 1082.21,705.45
  pour cut-out: 1295.43,476.3 1649.77,476.3 1649.77,763.3 1295.43,763.3
  pour cut-out: 1577.43,1181.32 1971.14,1181.32 1971.14,-39.15 1577.43,-39.15
Mid-Layer 2:
  rectangle net P0.27: 997.56,620.81 1013.31,636.56
  rectangle net P0.05/AIN3: 997.56,601.12 1013.31,616.87
  rectangle net P0.07: 997.56,581.44 1013.31,597.19
  rectangle net P1.08: 997.56,561.75 1013.31,577.5
  rectangle net P0.11: 997.56,542.07 1013.31,557.82
  rectangle net P0.14: 1066.46,473.17 1082.21,488.92
  rectangle net P0.16: 1086.14,473.17 1101.89,488.92
  rectangle net P0.18/RST: 1105.83,473.17 1121.58,488.92
  rectangle net P0.19: 1125.51,473.17 1141.26,488.92
  rectangle net P0.21: 1145.2,473.17 1160.95,488.92
  rectangle net P0.23: 1164.88,473.17 1180.63,488.92
  rectangle net P0.25: 1184.57,473.17 1200.32,488.92
  rectangle net P1.03: 1214.1,522.39 1229.85,538.14
  rectangle net P1.05: 1214.1,542.07 1229.84,557.82
  rectangle net P1.07: 1214.1,561.75 1229.84,577.5
  rectangle net P1.11: 1164.88,689.71 1180.63,705.45
  rectangle net P1.12: 1145.2,689.71 1160.95,705.45
  rectangle net P1.14: 1125.51,689.71 1141.26,705.45
  rectangle net P0.03/AIN1: 1105.83,689.71 1121.58,705.45
  rectangle net P0.28/AIN4: 1086.14,689.71 1101.89,705.45
  rectangle net P0.30/AIN6: 1066.46,689.71 1082.21,705.45
  pour cut-out: 1295.43,476.3 1649.77,476.3 1649.77,763.3 1295.43,763.3
  pour cut-out: 1577.43,1181.32 1971.14,1181.32 1971.14,-39.15 1577.43,-39.15
Bottom Layer:
  rectangle net VDD_nRF: 239.22,986.3 259.22,1061.3
  rectangle net P0.27: 997.56,620.81 1013.31,636.56
  rectangle net P0.05/AIN3: 997.56,601.12 1013.31,616.87
  rectangle net P0.07: 997.56,581.44 1013.31,597.19
  rectangle net P1.08: 997.56,561.75 1013.31,577.5
  rectangle net P0.11: 997.56,542.07 1013.31,557.82
  rectangle net P0.14: 1066.46,473.17 1082.21,488.92
  rectangle net P0.16: 1086.14,473.17 1101.89,488.92
  rectangle net P0.18/RST: 1105.83,473.17 1121.58,488.92
  rectangle net P0.19: 1125.51,473.17 1141.26,488.92
  rectangle net P0.21: 1145.2,473.17 1160.95,488.92
  rectangle net P0.23: 1164.88,473.17 1180.63,488.92
  rectangle net P0.25: 1184.57,473.17 1200.32,488.92
  rectangle net P1.03: 1214.1,522.39 1229.85,538.14
  rectangle net P1.05: 1214.1,542.07 1229.84,557.82
  rectangle net P1.07: 1214.1,561.75 1229.84,577.5
  rectangle net P1.11: 1164.88,689.71 1180.63,705.45
  rectangle net P1.12: 1145.2,689.71 1160.95,705.45
  rectangle net P1.14: 1125.51,689.71 1141.26,705.45
  rectangle net P0.03/AIN1: 1105.83,689.71 1121.58,705.45
  rectangle net P0.28/AIN4: 1086.14,689.71 1101.89,705.45
  rectangle net P0.30/AIN6: 1066.46,689.71 1082.21,705.45
  pour cut-out: 1577.43,1181.32 1971.14,1181.32 1971.14,-39.15 1577.43,-39.15

## Silkscreen, mask and mechanical layers (free items; w line width, h text height)
Top Overlay:
  circle w10: c464.33,1156 r5
  circle w10: c564.33,1156 r5
  text "nRF52840" at 1637.8,1023.62 h130 r270
  text "Nordic Semi" at 1755.91,1023.62 h130 r270
  text "MCU USBD" at 284.33,406 h38 r90
  text "BTN1" at 1279.33,311 h38
  text "RESET" at 979.33,156 h38
  text "NFC / ANT" at 1159.33,26 h38
Bottom Overlay:
  drawing of 56 lines, arcs and shapes, not listed
  text "1" at 55.22,1035.3 h32
  text "nRF52840" at 1512.86,669.71 h150
  text "Customized" at 1473.49,590.97 h70
  text "Dongle" at 1178.22,472.86 h150
  text "5" at 1654.11,472.02 h200 r270
  text "\"Easier for IoT development\"" at 1055.22,305.3 h70
  text "021218" at 213.65,20.1 h50
Mechanical 1:
  lines w6: -199.74,1046.87 1847.51,1046.87 ; 1577.43,278.09 1577.43,772.31

## Text inside footprints (layer, text, board x,y; h text height)
J3: Top Overlay "USB-A-DIP" at 32.55,705.14 h40 r270
P1: Bottom Overlay "40" at 1287.71,94.13 h35 r180; Bottom Overlay "39" at 1287.71,274.13 h35 r180; Bottom Overlay "2" at 227.71,94.13 h35 r180; Bottom Overlay "1" at 227.71,274.13 h35 r180
P2: Bottom Overlay "40" at 1287.71,850 h35 r180; Bottom Overlay "39" at 1287.71,1030 h35 r180; Bottom Overlay "2" at 227.71,850 h35 r180; Bottom Overlay "1" at 227.71,1030 h35 r180